# Altium PCB k210-core.PcbDoc (part 1 of 3) (continued)
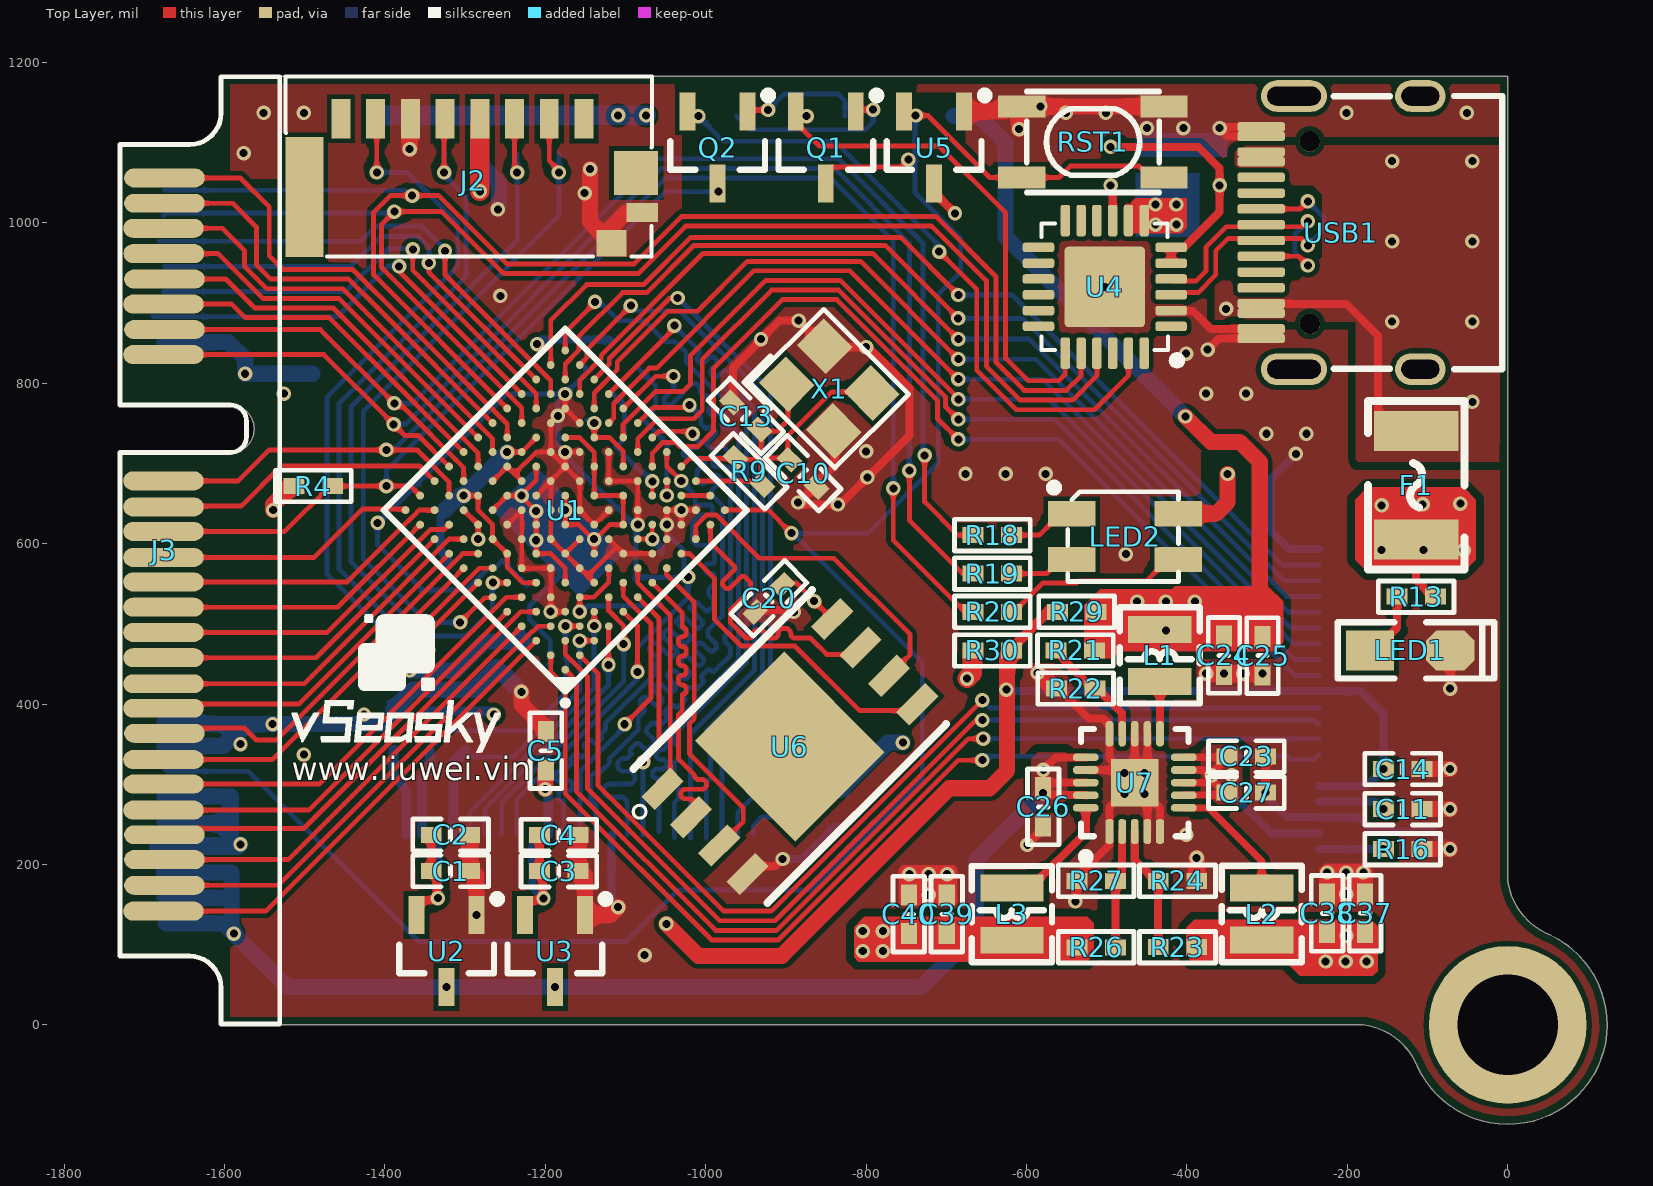
[diagram p0: Top Layer view]
## Design rules (kind name [scope] priority, off if disabled: settings) (continued)
28 further rules are at their usual default settings.

## Classes and differential pairs
net class FLASH: FLASH_IO0 FLASH_IO1 FLASH_IO2 FLASH_IO3
net class dvp: DVP_D0 DVP_D1 DVP_D2 DVP_D3 DVP_D4 DVP_D5 DVP_D6 DVP_D7
differential pair USB: +USB-PWR-DM -USB-PWR-DP

## Components (designator, comment, footprint, x,y, rotation, side; value= is the part's Value field where it differs from the comment)
C1 "10uF" "C 0402_M" -1318.05,191.81 r180 top
C2 "0.1uF" "C 0402_M" -1318.05,236.81 r180 top
C3 "10uF" "C 0402_M" -1183.05,191.6 r180 top
C4 "0.1uF" "C 0402_M" -1183.05,236.6 r180 top
C5 "10uF" "C 0402_M" -1199.14,341.81 r90 top
C6 "10uF" "C 0402_M" -359.14,1070.81 r90 bottom
C7 "10uF" "C 0402_M" -449.81,1070.81 r270 bottom
C8 "10uF" "C 0402_M" -404.48,1070.81 r270 bottom
C9 "0.1uF" "C 0402_M" -715,1087 r0 bottom
C10 "12pF" "C 0402_M" -878.56,687.63 r315 top
C11 "0.1uF" "C 0402_M" -131,269 r0 top
C12 "0.1uF" "C 0402_M" -1280,1110 r270 bottom
C13 "12pF" "C 0402_M" -950.06,759.13 r135 top
C14 "0.1uF" "C 0402_M" -131,319 r180 top
C15 "0.1uF" "C 0402_M" -1337.91,557.06 r45 bottom
C16 "0.1uF" "C 0402_M" -1341.69,659.28 r315 bottom
C17 "0.1uF" "C 0402_M" -1271.69,729.28 r315 bottom
C18 "4.7uF" "C 0402_M" -1243.88,463.04 r45 bottom
C19 "0.1uF" "C 0402_M" -1038.88,541.4 r225 bottom
C20 "0.1uF" "C 0402_M" -921.14,531.81 r45 top
C21 "0.1uF" "C 0402_M" -1164.97,771.31 r135 bottom
C22 "0.1uF" "C 0402_M" -1072.16,572.82 r225 bottom
C23 "10uF" "C 0402_M" -325.77,334.64 r0 top
C24 "10uF" "C 0402_M" -353.77,460.64 r90 top
C25 "0.1uF" "C 0402_M" -305.72,460.39 r90 top
C26 "10uF" "C 0402_M" -579.14,271.81 r270 top
C27 "10uF" "C 0402_M" -325.77,289.64 r0 top
C28 "0.1uF" "C 0402_M" -1268.18,627.18 r225 bottom
C29 "0.1uF" "C 0402_M" -1134.54,635.2 r45 bottom
C30 "0.1uF" "C 0402_M" -1173.96,532.96 r225 bottom
C31 "0.1uF" "C 0402_M" -1205.37,564.37 r225 bottom
C32 "0.1uF" "C 0402_M" -1236.78,595.78 r225 bottom
C33 "0.1uF" "C 0402_M" -1103.13,603.79 r45 bottom
C34 "0.1uF" "C 0402_M" -1197.36,698.01 r45 bottom
C35 "0.1uF" "C 0402_M" -1165.95,666.6 r45 bottom
C36 "4.7uF" "C 0402_M" -1212.91,432.06 r225 bottom
C37 "10uF" "C 0402_M" -177.83,139.27 r270 top
C38 "0.1uF" "C 0402_M" -225.14,139.03 r270 top
C39 "10uF" "C 0402_M" -699.42,138.03 r270 top
C40 "0.1uF" "C 0402_M" -746.73,138.03 r270 top
C41 "0.1uF" "C 0402_M" -1063.34,706.13 r225 bottom
C42 "4.7uF" "C 0402_M" -1094.75,737.54 r225 bottom
F1 "MSMD200-8V 2A" "FU 1210" -114.14,672.81 r270 top
J1 "OV2640" FFC/SM0.5-2H24-OV5640 -1166.69,173.02 r180 bottom
J2 "TF_Card" "TF-SOCKET - SHORT" -1289.49,1052.24 r270 top
J3 "MX_PCIE" MINIPCIE -1674.84,1055.91 r270 top
L1 "2.2uH" NR2520 -433.77,460.64 r90 top
L2 "2.2uH" NR2520 -306.73,138.16 r270 top
L3 "2.2uH" NR2520 -618.14,138.03 r270 top
LED1 "红色" "LED 0805G" -121.64,466.81 r0 top
LED2 "RGB-3528" "LED 3528-4PIN" -477.14,608.81 r0 top
P1 "JLT24100B" FFC/SM0.5-2H24-LCD -171,445.54 r270 bottom
Q1 "SS8050" SOT23-3N -850.14,1093.81 r180 top
Q2 "SS8050" SOT23-3N -985.14,1093.81 r180 top
R1 "0R" "R 0402_M" -860,247 r0 bottom
R2 "0R" "R 0402_M" -860,292 r0 bottom
R3 "2K" "R 0402_M" -1299.14,366.81 r90 bottom
R4 "100K" "R 0402_M" -1489.14,671.81 r180 top
R5 "2K" "R 0402_M" -1344.14,366.81 r90 bottom
R6 "10K" "R 0402_M" -495.14,1070.81 r90 bottom
R7 "0R" "R 0402_M" -1389.14,366.81 r270 bottom
R8 "10K" "R 0402_M" -715.14,1133.05 r0 bottom
R9 "1M" "R 0402_M" -945.93,690.08 r315 top
R10 "10K" "R 0402_M" -985.14,1133.05 r0 bottom
R11 "10K" "R 0402_M" -850.14,1133.05 r0 bottom
R12 "10K" "R 0402_M" -1183,1110 r270 bottom
R13 "10K" "R 0402_M" -114.14,533.81 r180 top
R14 "10K" "R 0402_M" -1235,1110 r270 bottom
R15 "10K" "R 0402_M" -1325,1110 r270 bottom
R16 "100R" "R 0402_M" -131,219 r0 top
R17 "10K" "R 0402_M" -1410,1110 r270 bottom
R18 "4.7K" "R 0402_M" -642.51,610.67 r180 top
R19 "4.7K" "R 0402_M" -642.51,562.67 r180 top
R20 "4.7K" "R 0402_M" -642.51,514.86 r180 top
R21 "200K" "R 0402_M" -539.14,466.81 r0 top
R22 "100K" "R 0402_M" -538.77,419.32 r180 top
R23 "453K" "R 0402_M" -411.73,96.85 r0 top
R24 "100K" "R 0402_M" -411.73,179.48 r0 top
R25 "0R-CBW100505U601T" "R 0402_M" -1100.85,835.43 r135 bottom
R26 "68K" "R 0402_M" -513.14,96.71 r180 top
R27 "100K" "R 0402_M" -513.14,179.48 r180 top
R28 "0R-CBW100505U601T" "R 0402_M" -1132.67,803.61 r135 bottom
R29 "0R" "R 0402_M" -537.37,514.86 r0 top
R30 "0R" "R 0402_M" -642.51,466.81 r0 top
RST1 "RES" SMD-3.2*4.2 -517.14,1100.81 r0 top
U1 "K210" BGA144C65P12X12_800X800X95 -1175.1,641.81 r135 top
U2 "XC6206-3.3" SOT23-3N -1323,92 r180 top
U3 "XC6206-3.3" SOT23-3N -1188,92 r180 top
U4 "CP2104" QFN-24_L4.0-W4.0-P0.50-BL-EP2.8 -502.36,920.13 r90 top
U5 "SGM803" SOT23-3N -715.14,1093.81 r180 top
U6 "GD25LQ128" WSON-8_L8.0-W6.10-P1.27-BL-EP -894.97,347.05 r315 top
U7 "EA3036" QFN20_40P300X300X80_HS-21N -465,302 r90 top
USB1 "USB_Type-C" TYPE-C-TOP -208.14,987.81 r0 top
X1 "26M" "OSC 3225-4P" -845.82,793.37 r315 top

## Footprints (in the part's own frame and the unit in brackets; to place one, negate y for a bottom-side part, rotate by r counter-clockwise, add the part's x,y. Pads: shape width x height; smd on the part's side, far side on the other; paste and mask are expansions set on the pad)
BGA144C65P12X12_800X800X95 [mm] "BGA, 144-Leads, Body 8.00x8.00mmx0.95mm, Pitch 0.65mm"
  round 0.25 smd mask+0.051: A1(-3.575,3.575) A2(-2.925,3.575) A3(-2.275,3.575) A4(-1.625,3.575) A5(-0.975,3.575) A6(-0.325,3.575) A7(0.325,3.575) A8(0.975,3.575) A9(1.625,3.575) A10(2.275,3.575) A11(2.925,3.575) A12(3.575,3.575) B1(-3.575,2.925) B2(-2.925,2.925) B3(-2.275,2.925) B4(-1.625,2.925) B5(-0.975,2.925) B6(-0.325,2.925) B7(0.325,2.925) B8(0.975,2.925) B9(1.625,2.925) B10(2.275,2.925) B11(2.925,2.925) B12(3.575,2.925) C1(-3.575,2.275) C2(-2.925,2.275) C3(-2.275,2.275) C4(-1.625,2.275) C5(-0.975,2.275) C6(-0.325,2.275) C7(0.325,2.275) C8(0.975,2.275) C9(1.625,2.275) C10(2.275,2.275) C11(2.925,2.275) C12(3.575,2.275) D1(-3.575,1.625) D2(-2.925,1.625) D3(-2.275,1.625) D4(-1.625,1.625) D5(-0.975,1.625) D6(-0.325,1.625) D7(0.325,1.625) D8(0.975,1.625) D9(1.625,1.625) D10(2.275,1.625) D11(2.925,1.625) D12(3.575,1.625) E1(-3.575,0.975) E2(-2.925,0.975) E3(-2.275,0.975) E4(-1.625,0.975) E5(-0.975,0.975) E6(-0.325,0.975) E7(0.325,0.975) E8(0.975,0.975) E9(1.625,0.975) E10(2.275,0.975) E11(2.925,0.975) E12(3.575,0.975) F1(-3.575,0.325) F2(-2.925,0.325) F3(-2.275,0.325) F4(-1.625,0.325) F5(-0.975,0.325) F6(-0.325,0.325) F7(0.325,0.325) F8(0.975,0.325) F9(1.625,0.325) F10(2.275,0.325) F11(2.925,0.325) F12(3.575,0.325) G1(-3.575,-0.325) G2(-2.925,-0.325) G3(-2.275,-0.325) G4(-1.625,-0.325) G5(-0.975,-0.325) G6(-0.325,-0.325) G7(0.325,-0.325) G8(0.975,-0.325) G9(1.625,-0.325) G10(2.275,-0.325) G11(2.925,-0.325) G12(3.575,-0.325) H1(-3.575,-0.975) H2(-2.925,-0.975) H3(-2.275,-0.975) H4(-1.625,-0.975) H5(-0.975,-0.975) H6(-0.325,-0.975) H7(0.325,-0.975) H8(0.975,-0.975) H9(1.625,-0.975) H10(2.275,-0.975) H11(2.925,-0.975) H12(3.575,-0.975) J1(-3.575,-1.625) J2(-2.925,-1.625) J3(-2.275,-1.625) J4(-1.625,-1.625) J5(-0.975,-1.625) J6(-0.325,-1.625) J7(0.325,-1.625) J8(0.975,-1.625) J9(1.625,-1.625) J10(2.275,-1.625) J11(2.925,-1.625) J12(3.575,-1.625) K1(-3.575,-2.275) K2(-2.925,-2.275) K3(-2.275,-2.275) K4(-1.625,-2.275) K5(-0.975,-2.275) K6(-0.325,-2.275) K7(0.325,-2.275) K8(0.975,-2.275) K9(1.625,-2.275) K10(2.275,-2.275) K11(2.925,-2.275) K12(3.575,-2.275) L1(-3.575,-2.925) L2(-2.925,-2.925) L3(-2.275,-2.925) L4(-1.625,-2.925) L5(-0.975,-2.925) L6(-0.325,-2.925) L7(0.325,-2.925) L8(0.975,-2.925) L9(1.625,-2.925) L10(2.275,-2.925) L11(2.925,-2.925) L12(3.575,-2.925) M1(-3.575,-3.575) M2(-2.925,-3.575) M3(-2.275,-3.575) M4(-1.625,-3.575) M5(-0.975,-3.575) M6(-0.325,-3.575) M7(0.325,-3.575) M8(0.975,-3.575) M9(1.625,-3.575) M10(2.275,-3.575) M11(2.925,-3.575) M12(3.575,-3.575)
  silkscreen extent -4.39,-4.06 4.06,4.39, body extent -4,-4 4,4, height 0.95
"C 0402_M" [mil] "无极性贴片电容                                  淘宝ID:黄晶宝石"
  rect 26x20 smd: 1(-24,0) 2(24,0)
  silkscreen extent -47,-20 47,20, body extent -20,-10 20,10, height 21
FFC/SM0.5-2H24-LCD [mm] "Connector; FH12 Series; 24 Position; 0.5mm Spaced Bottom Contact"
  rrect50% 0.3x1.7 smd: 1(5.75,1.625) 2(5.25,1.625) 3(4.75,1.625) 4(4.25,1.625) 5(3.75,1.625) 6(3.25,1.625) 7(2.75,1.625) 8(2.25,1.625) 9(1.75,1.625) 10(1.25,1.625) 11(0.75,1.625) 12(0.25,1.625) 13(-0.25,1.625) 14(-0.75,1.625) 15(-1.25,1.625) 16(-1.75,1.625) 17(-2.25,1.625) 18(-2.75,1.625) 19(-3.25,1.625) 20(-3.75,1.625) 21(-4.25,1.625) 22(-4.75,1.625) 23(-5.25,1.625) 24(-5.75,1.625)
  rect 1.8x2.2 smd: P0(-7.65,-1.625) P0(7.65,-1.625)
  silkscreen extent -7.55,-4.29 7.55,1.6, body extent -8.05,-4.29 8.05,2.11, height 2.04
FFC/SM0.5-2H24-OV5640 [mm] "Connector; FH12 Series; 24 Position; 0.5mm Spaced Bottom Contact"
  rrect50% 0.3x1.7 smd: 1(5.75,1.625) 2(5.25,1.625) 3(4.75,1.625) 4(4.25,1.625) 5(3.75,1.625) 6(3.25,1.625) 7(2.75,1.625) 8(2.25,1.625) 9(1.75,1.625) 10(1.25,1.625) 11(0.75,1.625) 12(0.25,1.625) 13(-0.25,1.625) 14(-0.75,1.625) 15(-1.25,1.625) 16(-1.75,1.625) 17(-2.25,1.625) 18(-2.75,1.625) 19(-3.25,1.625) 20(-3.75,1.625) 21(-4.25,1.625) 22(-4.75,1.625) 23(-5.25,1.625) 24(-5.75,1.625)
  rect 1.8x2.2 smd: P0(-7.65,-1.625) P0(7.65,-1.625)
  silkscreen extent -7.55,-4.29 7.55,1.6, body extent -8.05,-4.29 8.05,2.11, height 2.04
"FU 1210" [mil] "贴片保险丝        淘宝ID:黄晶宝石"
  rect 50x105 smd: 1(-67.5,0) 2(67.5,0)
  silkscreen extent -105,-60 105,60, body extent -63,-50 63,50, height 34
"LED 0805G" [mil] "绿色0805LED                              淘宝ID:黄晶宝石"
  rect 60x50 smd: 1(-50,0)
  oct 60x50 smd: 2(50,0)
  silkscreen extent -90,-35 105,35, body extent -39,-25 39,25, height 26
"LED 3528-4PIN" [mm] "4脚，3528LED                             淘宝ID:黄晶宝石"
  rect 1.5x0.8 smd: 1(-1.689,0.725) 2(-1.689,-0.725) 3(1.689,-0.725) 4(1.689,0.725)
  silkscreen extent -2.37,-1.42 1.69,1.68, body extent -1.88,-1.4 1.62,1.4, height 1.95
MINIPCIE [mm]
  oval 0.6x2.55 smd: 1(0,0) 3(0.8,0) 5(1.593,-0.029) 7(2.395,-0.021) 9(3.2,0) 11(3.993,-0.029) 13(4.8,0) 15(5.593,-0.029) 17(9.593,-0.029) 19(10.418,-0.029) 21(11.193,-0.029) 23(12.018,-0.029) 25(12.793,-0.029) 27(13.593,-0.029) 29(14.393,-0.029) 31(15.193,-0.029) 33(16.018,-0.029) 35(16.793,-0.029) 37(17.586,0) 39(18.418,-0.029) 41(19.193,-0.029) 43(20.018,-0.029) 45(20.8,0) 47(21.586,0) 49(22.4,0) 51(23.218,-0.029)
  oval 0.6x2.55 smd far side: 2(0.386,0) 4(1.193,-0.029) 6(1.993,-0.029) 8(2.8,0) 10(3.593,-0.029) 12(4.393,-0.029) 14(5.2,0) 16(5.993,-0.029) 18(10.015,0) 20(10.793,-0.029) 22(11.586,0) 24(12.386,0) 26(13.186,0) 28(13.993,-0.029) 30(14.793,-0.029) 32(15.603,0.013) 34(16.4,0) 36(17.2,0) 38(17.986,0) 40(18.786,0) 42(19.586,0) 44(20.386,0) 46(21.191,-0.038) 48(21.993,-0.029) 50(22.8,0) 52(23.586,0)
  silkscreen extent -3.21,-1.4 26.8,3.65
NR2520 [mm] "2.5mm*2.0mm*1.0mm(长*宽*高）"
  rect 0.85x2 smd: 1(-0.825,0) 2(0.825,0)
  silkscreen extent -1.52,-1.27 1.52,1.27, body extent -1.25,-1 1.25,1, height 1.1
"OSC 3225-4P" [mm] "3.2*2.5*0.7mm(长宽高)                         淘宝ID:黄晶宝石"
  rect 1.3x1.2 smd: 1(-1.05,-0.85) 2(1.05,-0.85) 3(1.05,0.85) 4(-1.05,0.85)
  silkscreen extent -2.03,-1.75 1.9,1.65, body extent -1.6,-1.25 1.6,1.25, height 0.7
QFN20_40P300X300X80_HS-21N [mm] "QFN, 20-Leads, Body 3.00x3.00mm, Pitch 0.40mm, Thermal Pad 1.65x1.65mm, IPC Medium Density"
  oct 0.8x0.24 smd: 1(-1.55,0.8) 2(-1.55,0.4) 3(-1.55,0) 4(-1.55,-0.4) 5(-1.55,-0.8) 11(1.55,-0.8) 12(1.55,-0.4) 13(1.55,0) 14(1.55,0.4) 15(1.55,0.8)
  oct 0.24x0.8 smd: 6(-0.8,-1.55) 7(-0.4,-1.55) 8(0,-1.55) 9(0.4,-1.55) 10(0.8,-1.55) 16(0.8,1.55) 17(0.4,1.55) 18(0,1.55) 19(-0.4,1.55) 20(-0.8,1.55)
  rect 1.5x1.5 smd: 21(0,0)
  silkscreen extent -2.47,-1.7 1.7,1.7, body extent -1.56,-1.56 1.56,1.56, height 0.8
QFN-24_L4.0-W4.0-P0.50-BL-EP2.8 [mm]
  rrect50% 0.3x1 smd: 1(-1.25,-2.1) 2(-0.75,-2.1) 3(-0.25,-2.1) 4(0.25,-2.1) 5(0.75,-2.1) 6(1.25,-2.1) 13(1.25,2.1) 14(0.75,2.1) 15(0.25,2.1) 16(-0.25,2.1) 17(-0.75,2.1) 18(-1.25,2.1)
  rrect50% 1x0.3 smd: 7(2.1,-1.25) 8(2.1,-0.75) 9(2.1,-0.25) 10(2.1,0.25) 11(2.1,0.75) 12(2.1,1.25) 19(-2.1,1.25) 20(-2.1,0.75) 21(-2.1,0.25) 22(-2.1,-0.25) 23(-2.1,-0.75) 24(-2.1,-1.25)
  rrect10% 2.55x2.55 smd: 25(0,0)
  silkscreen extent -2.58,-2.54 2.01,2.01, body extent -2,-2 2,2, height 0.9
"R 0402_M" [mil] "1/16W贴片电阻       淘宝ID:黄晶宝石"
  rect 26x20 smd: 1(-24,0) 2(24,0)
  silkscreen extent -47,-20 47,20, body extent -20,-10 20,10, height 12
SMD-3.2*4.2 [mm]
  rect 1.5x0.7 smd: 1(-2.25,1.125) 1(2.25,1.125) 2(-2.25,-1.125) 2(2.25,-1.125)
  silkscreen extent -2.1,-1.6 2.1,1.6, body extent -2.73,-1.6 2.47,1.58, height 1.8
SOT23-3N [mm] "3x1.3x1mm(长宽高)    封装库来自淘宝卖家 ID：黄晶宝石"
  rect 0.5x1.2 smd: 1(-0.95,-1.143) 2(0.95,-1.143) 3(0,1.143)
  silkscreen extent -1.73,-1.78 1.5,0.7, body extent -1.5,-1.2 1.5,1.2, height 1.05
"TF-SOCKET - SHORT" [mm]
  rect 1.25x0.6 smd: 1(-1.975,3.5) 2(-1.975,2.4) 3(-1.975,1.3) 4(-1.975,0.2) 5(-1.975,-0.9) 6(-1.975,-2) 7(-1.975,-3.1) 8(-1.975,-4.2)
  rect 0.85x0.95 smd: 9(1.975,4.375)
  rect 0.6x1 smd: 10(1,5.35)
  rect 3.8x1.2 smd: G1(0.51,-5.35)
  rect 1.4x1.4 smd: G2(-0.25,5.15)
  silkscreen extent -3.3,-5.95 2.39,5.65, body extent -3.16,-5.82 2.29,5.58, height 2.27
TYPE-C-TOP [mm]
  round 0.65 hole 0.65: 0(-0.98,-2.89) 0(-0.98,2.89)
  oval 1.6x1 hole 0.6 slot 1.2 at 0 deg: 1(2.52,4.325) 2(2.52,-4.325)
  oval 2.1x1 hole 0.6 slot 1.7 at 0 deg: 3(-1.48,-4.325) 4(-1.48,4.325)
  rrect50% 1.5x0.3 smd: A1(-2.52,-3.35) A4(-2.52,-2.55) A5(-2.52,-1.25) A6(-2.52,-0.25) A7(-2.52,0.25) A8(-2.52,1.25) A9(-2.52,2.55) A12(-2.52,3.35) B1(-2.52,3.05) B4(-2.52,2.25) B5(-2.52,1.75) B6(-2.52,0.75) B7(-2.52,-0.75) B8(-2.52,-1.75) B9(-2.52,-2.25) B12(-2.52,-3.05)
  silkscreen extent -0.22,-4.33 5.12,4.33, body extent -2.64,-4.48 5.26,4.46, height 3.28
WSON-8_L8.0-W6.10-P1.27-BL-EP [mm]
  rect 0.6x1.3 smd: 1(-1.905,-3.8) 2(-0.635,-3.8) 3(0.635,-3.8) 4(1.905,-3.8) 5(1.905,3.8) 6(0.635,3.8) 7(-0.635,3.8) 8(-1.905,3.8)
  rect 4.5x4 smd: 9(0,0)
  silkscreen extent -3,-5.03 3,4, body extent -3,-4.04 3,3.96, height 0.81

## Part data
C1 C2 C3 C4 C5 C6 C7 C8 C9 C10 C11 C12 C13 C14 C15 C16 C17 C18 C19 C20 C21 C22 C23 C24 C25 C26 C27 C28 C29 C30 C31 C32 C33 C34 C35 C36 C37 C38 C39 C40 C41 C42: library part C, "贴片电容"
F1: library part FU, "贴片保险丝"
J1: library part OV5640, "Header, 24-Pin"
J2: "TF卡座"
J3: "mini-PCI-E"
L1 L2 L3: library part L-NR, "NR磁胶电感"
LED1: library part LED-SMD, "贴片LED"
LED2: library part "LED-RGB 3528", "3528三基色LED"
Q1 Q2: library part 8050-SMD, "高频放大-NPN型"
R1 R2 R3 R4 R5 R6 R7 R8 R9 R10 R11 R12 R13 R14 R15 R16 R17 R18 R19 R20 R21 R22 R23 R24 R25 R26 R27 R28 R29 R30: library part R, "贴片电阻"
RST1: library part KEY_M
U1: "Canaan Kendryte K210 AI SoC"
U2 U3: "SOT-23,XC6206P332MR,MAX8V,100mA"
U6: "WSON-8"
X1: library part XTAL-4P, "4脚无源晶振"

## Free pads (board coordinates)
  round 196.85 hole 125: ""(0,0)

## Via types
v1: diameter 18, hole 10, Top Layer to Bottom Layer, tented both sides, 220 vias

## Nets (pads, with @x,y where several pads share a name; then routed paths per layer and width w, separated by ;. In a path a pad name is that pad's centre, name@x,y a point inside that pad or via, vN(x,y) a via of type N, cw(c..) or ccw(c..) an arc to the next point about the centre after c; other vN are vias at no path point)
0V9: C28.1 C29.1 C30.1 C31.1 C32.1 C33.1 C34.1 C35.1 C36.1 C39.2 C40.2 L3.2 R25.2 R26.2 U1.D4 U1.D6 U1.D9 U1.E7 U1.E9 U1.F4 U1.F6 U1.G7 U1.G9 U1.H4 U1.H6 U1.J5 U1.J7 U1.J9 | length 1526.5
  Top Layer w6: U1.D9@-1265.57,641.81 U1.E9@-1247.48,659.91 v1@-1230.62,659.91 ; U1.G9@-1211.29,696.1 -1211.29,679.24 v1@-1230.62,659.91 ; U1.D4@-1175.1,551.33 -1174.48,551.95 -1175.1,552.57 -1175.1,569.42 -1193.21,587.53 U1.D6@-1211.29,587.52 v1(-1211.29,604.23) U1.E7@-1211.29,623.71 v1(-1211.29,640.57) v1@-1230.62,659.91 ; v1(-1175.1,641.81) U1.G7@-1175.1,659.91 U1.F6@-1175.1,623.72 -1158.24,623.72 v1@-1138.91,604.38 ; U1.J9@-1175.1,732.29 -1156.99,732.29 -1138.91,714.2 U1.J7@-1138.91,696.1 U1.H6@-1138.91,659.91 U1.J5@-1102.72,659.91 U1.H4@-1102.72,623.72 -1119.57,623.72 -1137.79,605.5 v1(-1139,605.5) -1138.91,605.41 v1@-1138.91,604.38 ; U1.F4@-1138.91,587.52 v1@-1138.91,604.38
  Top Layer w10: v1@-771.34,117 -749.7,117 C40.2@-746.73,114.03 C39.2@-699.42,114.03 -626.62,114.03 -618.14,105.55 -609.31,96.71 R26.2@-537.14,96.71
  Bottom Layer w6: C36.1@-1195.94,449.03 -1193.82,451.15 -1193.82,479.78 -1219.62,505.58 -1219.62,522.28 -1182.24,559.66 -1166.72,559.66 ; C29.1@-1151.51,618.23 C31.1@-1188.4,581.34 ; C32.1@-1219.81,612.75 C35.1@-1182.92,649.63 ; C32.1@-1219.81,612.75 v1(-1211.29,604.23) C31.1@-1188.4,581.34 ; C32.1@-1219.81,612.75 C28.1@-1251.21,644.16 C34.1@-1214.33,681.04 C35.1@-1182.92,649.63 ; C31.1@-1188.4,581.34 -1166.72,559.66 ; C35.1@-1182.92,649.63 v1(-1175.1,641.81) C29.1@-1151.51,618.23 C33.1@-1120.1,586.82 C30.1@-1156.99,549.93 -1166.72,559.66
  Bottom Layer w10: v1(-1210.14,848.81) -1204.43,854.52 -1119.94,854.52 R25.2@-1117.82,852.4
  other v1: -804.14,91.81 -779.14,91.81 -804.14,116.81 -779.14,116.81 -1229.38,659.91
1V8: C20.2 C21.1 C22.1 C24.2 C25.2 L1.2 R8.2 R21.2 R29.2 U1.H3 U1.J3 U1.K6 U1.K8 U6.8 | length 1146.2
  Top Layer w6: v1(-1138.91,750.38) U1.K8@-1138.91,732.29 -1119.62,732.29 -1102.72,715.38 U1.K6@-1102.72,696.1 ; U1.H3@-1084.62,605.62 v1(-1066.51,605.62) ; U1.J3@-1066.52,623.71 v1(-1066.51,605.62) ; v1@-1065.13,607 v1(-1066.51,605.62) ; C20.2@-904.17,548.78 -902.05,550.9 -887.23,550.9 U6.8@-842.21,505.88
  Top Layer w20: R21.2@-515.14,466.81 -513.37,466.81 R29.2@-513.37,514.86 ; v1(-401.91,758.52) -370.2,726.81 -334.14,726.81 -309.14,701.81 -309.14,532.27 -353.77,487.64 C24.2@-353.77,484.64
  Bottom Layer w6: C21.1@-1148,754.34 -1142.86,754.34 v1(-1138.91,750.38)
  Bottom Layer w10: v1(-1066.51,605.62) -1055.19,594.29 C22.1@-1055.19,589.79
  Bottom Layer w20: R8.2@-691.14,1133.05 -659.33,1133.05 -626,1099.73 -626,982.61 v1(-401.91,758.52)
  other v1: -426.14,491.81 -864.72,528.39 -462.14,527.81 -426.14,527.81 -390.14,527.81
3V3: C11.1 C12.1 C15.2 C16.2 C17.2 C18.2 C37.2 C38.2 J2.4 L2.2 LED2.4 P1.4 R2.2 R4.2 R12.1 R14.1 R15.1 R17.1 R23.2 R30.1 U1.C5 U1.C7 U1.C8 U1.D10 U1.G10 U1.H10 U5.3 | length 1779.9
  Top Layer w6: v1(-1301.76,659.91) U1.D10@-1283.67,659.91 -1283.67,641.81 -1265.57,623.72 U1.C8@-1265.57,605.62 ; U1.C8@-1265.34,605.62 -1265.34,605.4 U1.C7@-1247.48,587.52 ; U1.C7@-1247.48,587.52 -1247.48,570.67 -1228.14,551.33 U1.C5@-1211.29,551.33 ; v1(-1247.47,714.19) U1.G10@-1229.38,714.19 U1.H10@-1211.29,732.29
  Top Layer w10: U5.3@-715.14,1048.81 -715.14,1037.81 v1(-689.14,1011.81) ; R23.2@-387.73,96.85 -315.57,96.85 L2.2@-306.73,105.68 -231.49,105.68 C38.2@-226.07,111.1 ; C38.2@-228,112 -227.85,112.15 C38.2@-226.07,112.15 ; v1(-227,79) -226.07,79.93 C38.2@-226.07,111.1 ; C38.2@-226,113 -226.07,112.93 C38.2@-226.07,112.15 ; v1(-202,79) -201.5,79.5 -201.5,108.5 v1@-200,110 ; C37.2@-178,111 -179.15,112.15 -199.85,112.15 v1(-201,111) -202.15,112.15 C38.2@-225.14,112.15 ; C37.2@-177.83,115.27 -177.95,115.15 -225.02,115.15 C38.2@-225.14,115.03 C38.2@-225.14,112.15 ; v1(-176,79) -176.91,79.91 -176.91,110.09 C37.2@-174,113 ; C38.2@-226.07,111.1 C38.2@-226.07,112.15 ; C38.2@-226.07,111.1 -225.14,112.03 C38.2@-225.14,112.15 ; C38.2@-226.07,112.15 C38.2@-225.14,112.15
  Top Layer w20: v1(-1539.14,641.81) -1539.14,648.81 -1516.14,671.81 R4.2@-1513.14,671.81 ; LED2.4@-410.64,637.35 -363.6,637.35 -349.14,651.81 v1(-349.14,686.81)
  Top Layer w24: v1(-1281.62,1039.29) J2.4@-1281.62,1125 ; v1(-674.14,431.81) -667.51,438.44 -667.51,465.81 R30.1@-666.51,466.81
  Bottom Layer w6: C18.2@-1226.91,480.01 C18.2@-1224.79,482.13
  Bottom Layer w10: C16.2@-1320.98,642.31 -1330.89,632.4 -1330.89,591.93 -1320.5,581.55 -1320.5,574.47 C15.2@-1320.94,574.03 ; C17.2@-1254.72,712.31 -1252.84,714.19 v1(-1247.47,714.19) ; P1.4@-234.98,278.22 -165.84,278.22 -156.62,269 v1(-155,269)
  Bottom Layer w20: v1(-1369.14,441.81) -1312.13,441.81 -1276.05,477.89 -1229.04,477.89 C18.2@-1226.91,480.01 ; C16.2@-1324.72,642.31 -1324.53,642.12 -1306.74,659.91 v1(-1301.76,659.91) ; v1@-1302.57,659.09 -1252.04,709.62 v1(-1247.47,714.19) ; R2.2@-836,292 -833,292 -773.19,351.81 v1(-754.14,351.81)
  Bottom Layer w24: R17.1@-1410,1134 R15.1@-1325,1134 C12.1@-1280,1134 R14.1@-1235,1134 R12.1@-1183,1134 v1(-1109.14,1134) v1(-1074.14,1134)
AGND: J1.2 R7.2 | length 112.3
  Bottom Layer w12: R7.2@-1389.14,342.81 -1389.14,310.02 -1373.38,294.26 J1.2@-1373.38,237
AVDD_2V8: C1.2 C2.2 J1.4 U2.2 | length 205.8
  Top Layer w10: U2.2@-1360.4,137 -1360.4,150.78 -1355.56,155.62 -1337.95,155.62 -1335.58,158 v1@-1334.08,158 ; C1.2@-1343,192 C1.2@-1342.05,192 ; C1.2@-1342.05,191.81 C1.2@-1342.05,192 ; C2.2@-1342,236 -1342.05,235.95 C1.2@-1342.05,192 ; v1(-1334.01,157.94) v1@-1334.08,158 ; v1@-1334,158 v1@-1334.08,158 ; C1.2@-1342.05,192 -1340.35,192 -1335.16,186.81 -1335.16,159.09 v1@-1334.08,158
  Bottom Layer w10: v1(-1334.01,157.94) J1.4@-1334.01,237
BOOT: J3.21 Q2.3 R4.1 U1.B12 | length 925.5
  Top Layer w6: J3.21@-1676,615.24 -1524.71,615.24 -1468.14,671.81 R4.1@-1465.14,671.81 v1(-1398.14,671.81) -1367.95,671.81 U1.B12@-1356.05,659.91
  Bottom Layer w6: v1(-1398.14,671.81) -1398,671.95 -1398,691 -1050.19,1038.81 v1(-984.14,1038.81)
DTR: Q2.2 R10.1 U4.23 | length 812.9
  Top Layer w6: Q2.2@-1022.54,1138.81 -1016.79,1133.05 v1(-1009.14,1133.05) ; v1(-709,964) -662,917 -662,816.09 -612.91,767 -515.18,767 -472.83,809.35 U4.23@-472.83,837.45
  Bottom Layer w6: v1(-1009.14,1133.05) -977.9,1101.81 -839.19,1101.81 -709,971.62 v1(-709,964)
DVDD_1V3: C3.2 C4.2 J1.10 U3.2 | length 210.9
  Top Layer w10: U3.2@-1225.4,137 -1225.4,150.78 -1220.56,155.62 -1201.38,155.62 v1@-1199,158 ; C3.2@-1207.05,191.6 -1207.05,234.95 C4.2@-1204,238 ; C3.2@-1207,191 -1203.29,187.29 -1203.29,158.96 v1(-1202.14,157.81)
  Bottom Layer w10: J1.10@-1215.9,237 -1215.9,171.57 v1(-1202.14,157.81)
DVP_D0: J1.19 U1.M12 | length 897.8
  Top Layer w6: U1.M12@-1175.1,840.86 -1175.1,863.4 -1138,900.5 v1(-1138,901.5)
  Bottom Layer w6: v1(-1138,901.5) -1131.83,901.5 -1108.14,877.81 -1076.14,877.81 -1050.14,851.81 -1038.14,851.81 -1024.14,837.81 -1024.14,826.29 -949,751.14 -949,451.95 -1039.14,361.81 -1039.14,351.81 -1034.14,346.81 -1034.14,331.81 -1039.14,326.81 -1039.14,306.81 -1034.14,301.81 -1034.14,281.81 -1039.14,276.81 J1.19@-1039.14,233
DVP_D1: J1.21 U1.M11 | length 897.3
  Top Layer w6: U1.M11@-1157,822.76 -1148.18,831.59 -1148.18,841.78 v1(-1093.14,896.81)
  Bottom Layer w6: v1(-1093.14,896.81) -1086.63,890.29 -1032.63,890.29 -929,786.67 -929,437.81 -999.37,367.44 -999.37,347.04 -994.14,341.81 -994.14,306.81 -999.14,301.81 J1.21@-999.14,233
DVP_D2: J1.22 U1.M10 | length 898.1
  Top Layer w6: U1.M10@-1138.91,804.67 -1120.14,823.43 -1120.14,830.84 -1044.7,906.29 v1(-1034.83,906.29)
  Bottom Layer w6: v1(-1034.83,906.29) -1034.48,906.29 -919,790.81 -919,433.67 -979.68,372.98 J1.22@-979.68,237 J1.22@-979.68,232
DVP_D3: J1.20 U1.M9 | length 891.9
  Top Layer w6: U1.M9@-1120.81,786.57 -1039.14,868.24 v1(-1039.14,871.81)
  Bottom Layer w6: v1(-1039.14,871.81) -1009,841.66 cw(c-1012.18,838.48) -1009,835.29 ccw(c-1004.76,831.05) -1009,826.81 ccw(c-1004.76,831.05) -1000.51,826.81 -996.14,831.18 cw(c-991.9,826.94) -987.66,831.18 cw(c-991.9,826.94) -987.66,822.69 ; J1.20@-1019.05,233 J1.20@-1019.05,237 -1019.05,362.09 -939.14,442 ; -990.48,819.87 -992.03,818.32 ccw(c-987.78,814.08) -992.03,809.84 ccw(c-987.78,814.08) -983.54,809.84 -979.17,814.21 cw(c-974.93,809.97) -970.68,814.21 cw(c-974.93,809.97) -970.68,805.72 -975.06,801.35 ccw(c-970.81,797.11) -975.06,792.87 ccw(c-970.81,797.11) -966.57,792.87 cw(c-963.39,789.68) -960.2,792.87 ; -961.84,791.22 -939,768.38 -939,442.14 -939.14,442 ; -939.14,441.81 -939.14,442
DVP_D4: J1.18 U1.M8 | length 885.8
  Top Layer w6: U1.M8@-1102.72,768.48 -1062.38,808.81 v1(-1040.14,808.81)
  Bottom Layer w6: -1062.14,282.95 cw(c-1062.14,288.95) -1068.14,288.95 cw(c-1062.14,288.95) -1062.14,294.95 -1054.14,294.95 ccw(c-1054.14,299.95) -1049.14,299.95 -1049.14,301.95 ccw(c-1054.14,301.95) -1054.14,306.95 -1060.59,306.95 cw(c-1060.59,312.95) -1066.59,312.95 cw(c-1060.59,312.95) -1060.59,318.95 -1054.14,318.95 ccw(c-1054.14,323.95) -1049.14,323.95 -1049.14,325.95 ccw(c-1054.14,325.95) -1054.14,330.95 -1055.76,330.95 cw(c-1055.76,336.95) -1061.76,336.95 cw(c-1055.76,336.95) -1055.76,342.95 -1054.14,342.95 ccw(c-1054.14,347.95) -1049.14,347.95 -1049.14,349.95 ccw(c-1054.14,349.95) -1054.14,354.95 -1054.14,360.95 -959,456.09 -959,736.67 -967.2,744.87 ccw(c-968.39,743.68) -969.57,744.87 cw(c-973.81,749.11) -978.06,744.87 cw(c-973.81,749.11) -978.06,753.35 -975.99,755.42 ccw(c-980.23,759.66) -975.99,763.9 ccw(c-980.23,759.66) -984.48,763.9 -986.54,761.84 cw(c-990.79,766.08) -995.03,761.84 cw(c-990.79,766.08) -995.03,770.32 -992.96,772.39 ccw(c-997.2,776.63) -992.96,780.87 ; -1062,283 -1058,279 J1.18@-1058,241 ; -1050.39,782.85 ccw(c-1046.14,778.6) -1050.39,774.36 ccw(c-1046.14,778.6) -1041.9,774.36 -1018.42,797.84 cw(c-1014.17,793.6) -1009.93,797.84 ; -1050,783 -1040,793 v1@-1040,808 ; v1@-1041.19,807.76 v1(-1040.14,808.81) ; v1@-1040,809 v1@-1040,808 ; v1@-1038.82,808 v1@-1040,808 ; -1009,797 -1007,795 -1007,789 -1002,784 -996.09,784 -994.04,781.96
DVP_D5: J1.16 U1.M7 | length 900.4
  Top Layer w6: U1.M7@-1084.62,750.38 -1065.19,769.81 -1023.14,769.81 v1(-1020.14,772.81)
  Bottom Layer w6: J1.16@-1097.79,237 -1097.79,276.16 ccw(c-1105.79,276.16) -1105.79,284.16 -1119.16,284.16 cw(c-1119.16,292.16) -1127.16,292.16 cw(c-1119.16,292.16) -1119.16,300.16 -1096.14,300.16 ccw(c-1096.14,308.16) -1088.14,308.16 ccw(c-1096.14,308.16) -1096.14,316.16 -1101.8,316.16 cw(c-1101.8,324.16) -1109.8,324.16 cw(c-1101.8,324.16) -1101.8,332.16 -1097.79,332.16 -1092.67,337.28 ccw(c-1093.21,337.82) -1092.67,338.35 cw(c-1089.28,341.74) -1092.68,345.13 ; -1092.67,345.14 -1088.15,349.66 cw(c-1084.75,346.27) -1081.37,349.67 -1076.91,345.22 ccw(c-1073.52,348.61) -1070.13,345.21 ; -1072.74,363.67 -1065.6,356.53 ; -1072.75,363.68 cw(c-1069.34,367.06) -1072.75,370.45 -1068.21,374.98 cw(c-1064.82,371.59) -1061.42,374.98 ccw(c-1058.2,378.21) -1054.97,374.98 -1049.42,380.54 ccw(c-1051.95,383.07) -1049.42,385.6 cw(c-1046.02,389) -1049.43,392.38 ; -1070.12,345.22 -1065.6,349.74 ccw(c-1068.99,353.14) -1065.59,356.52 ; -1049.42,392.39 -1044.89,396.92 cw(c-1041.5,393.52) -1038.1,396.92 ccw(c-1035.57,399.45) -1033.03,396.92 -1026.79,403.16 ccw(c-1029.32,405.7) -1026.79,408.23 cw(c-1023.4,411.63) -1026.8,415.01 -1022.26,419.55 cw(c-1018.87,416.15) -1015.48,419.55 ccw(c-1012.94,422.08) -1010.41,419.55 -1003.41,426.54 ccw(c-1005.2,428.33) -1003.41,430.11 cw(c-1000.02,433.51) -1003.42,436.89 -998.89,441.43 cw(c-995.49,438.03) -992.1,441.43 ccw(c-990.31,443.21) -988.54,441.42 ; v1(-1020.14,772.81) -1006.14,758.81 -1006.14,749.81 -1000.79,744.45 ccw(c-998.84,746.42) -996.89,744.46 cw(c-994.34,741.92) -991.8,744.46 -988.4,741.07 cw(c-990.95,738.52) -988.4,735.98 -997.52,726.86 ccw(c-994.97,724.31) -997.52,721.77 -994.13,718.37 ccw(c-991.58,720.92) -989.03,718.37 -984.42,722.99 cw(c-981.87,720.45) -979.33,722.99 -969.14,712.81 -969.14,711.41 cw(c-972.74,711.41) -972.74,707.81 -987.51,707.81 ccw(c-987.51,704.21) -991.11,704.21 -991.11,699.41 ccw(c-987.51,699.41) -987.51,695.81 -972.74,695.81 cw(c-972.74,692.21) -969.14,692.21 ; v1@-1019.14,773.81 v1@-1018.91,773.58 ; -988.53,441.43 -969,460.95 -969,471 -976,478 -976,485 -969,492 -969.14,492.14 -969.14,691.81
DVP_D6: J1.14 U1.M6 | length 892.2
  Top Layer w6: U1.M6@-1066.52,732.29 -1058.6,740.21 -1019.54,740.21 v1(-1016.34,737.01)
  Bottom Layer w6: J1.14@-1138.14,241.81 J1.14@-1137.16,242.79 ; J1.14@-1137.16,237 J1.14@-1137.16,242.79 ; -1071.35,406.8 ccw(c-1075.6,402.56) -1079.84,406.8 ccw(c-1075.6,402.56) -1079.84,398.31 -1078.48,396.96 cw(c-1082.72,392.71) -1078.48,388.47 -1084.14,382.81 -1084.14,367.81 -1119.8,332.16 -1119.8,327.02 -1133.43,313.39 -1139.63,313.39 -1143.73,309.29 -1143.73,281.59 -1137.16,275.03 J1.14@-1137.16,242.79 ; -1070.98,406.36 -1064.53,399.91 ccw(c-1060.28,404.16) -1056.04,399.91 ccw(c-1060.28,404.16) -1056.04,408.4 -1062.49,414.85 ; -1062.46,414.88 cw(c-1058.22,419.12) -1062.46,423.36 cw(c-1058.22,419.12) -1053.98,423.36 -1047.53,416.91 ccw(c-1043.28,421.16) -1039.04,416.91 ccw(c-1043.28,421.16) -1039.04,425.4 -1045.49,431.85 cw(c-1041.25,436.09) -1045.49,440.33 cw(c-1041.25,436.09) -1037.01,440.33 -1030.29,433.62 ccw(c-1026.05,437.86) -1021.8,433.62 ccw(c-1026.05,437.86) -1021.8,442.1 -1028.52,448.82 cw(c-1024.28,453.06) -1028.52,457.3 cw(c-1024.28,453.06) -1020.03,457.3 -1012.84,450.11 ccw(c-1008.59,454.35) -1004.35,450.11 ccw(c-1008.59,454.35) -1004.35,458.59 -1011.55,465.79 cw(c-1007.31,470.03) -1011.55,474.27 cw(c-1007.31,470.03) -1003.06,474.27 -996.61,467.82 ccw(c-992.37,472.07) -988.13,467.82 ccw(c-992.37,472.07) -988.13,476.31 ; v1(-1016.34,737.01) -1016.34,733.38 ccw(c-1013.97,733.38) -1013.97,731.01 cw(c-1013.97,725.61) -1008.57,725.61 -1008.57,724.41 cw(c-1013.97,724.41) -1013.97,719.01 -1024.18,719.01 -1027.7,715.49 -1027.7,710.52 -1024.18,707.01 -1006.51,707.01 cw(c-1006.51,701.61) -1001.11,701.61 -1001.11,700.41 cw(c-1006.51,700.41) -1006.51,695.01 -1010.94,690.58 -1010.94,679.61 -1007.43,676.1 ccw(c-1003.61,679.92) -999.8,676.1 -991.67,684.23 cw(c-987.85,680.41) -984.03,684.23 -983.18,683.38 cw(c-987,679.56) -983.18,675.74 -991.31,667.61 ccw(c-987.49,663.8) -991.31,659.98 -979.14,647.81 -979.14,509.81 -997.14,491.81 -997.14,485.38 -988.35,476.59